# Altium PCB PASTE.PcbDoc (part 5 of 7)
Units mil, origin at the board's own origin, x right, y up, seen from the top; angles counter-clockwise.
Board outline 16220 x 11870 mil, 2 copper layers (Top Layer, Bottom Layer); 340 components, 0 nets, 1500 pads, 1280 vias.
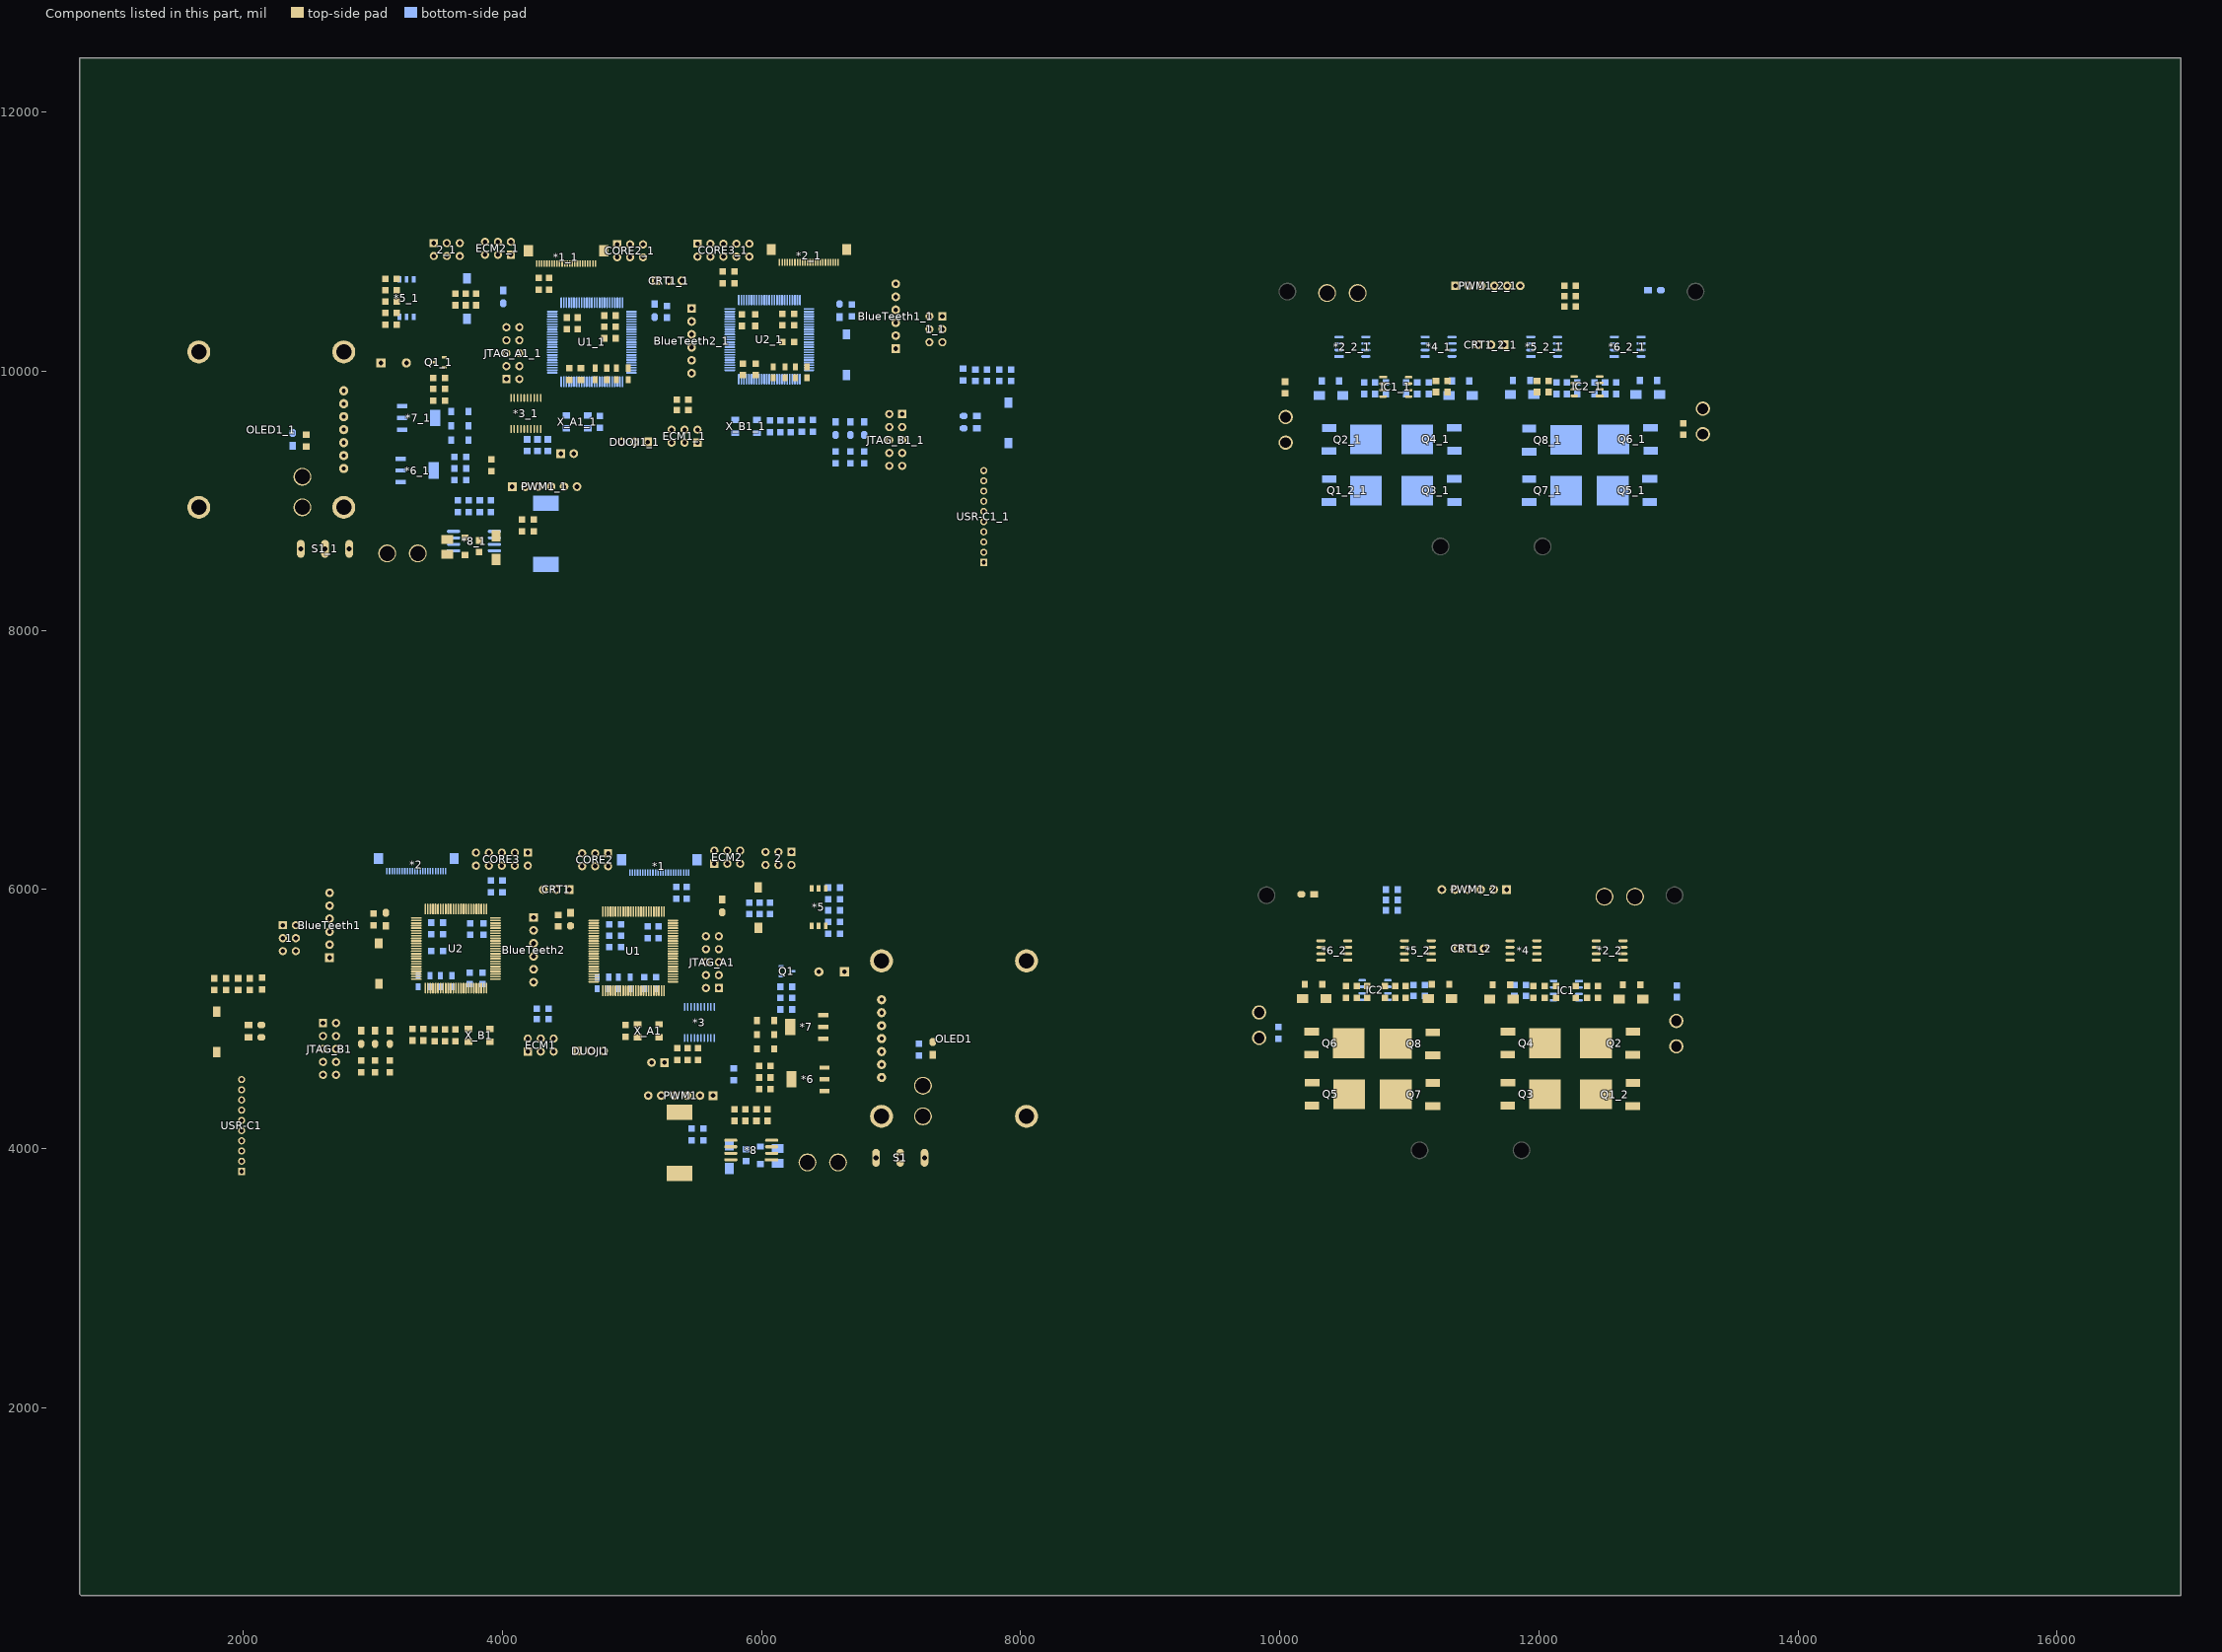
[diagram p5: the components of this part, seen from the top]

## Via types
v1: diameter 20, hole 15, Top Layer to Bottom Layer, tented both sides, 836 vias
v2: diameter 20, hole 10, Top Layer to Bottom Layer, tented both sides, 412 vias
v3: diameter 30, hole 20, Top Layer to Bottom Layer, tented both sides, 22 vias
v4: diameter 177.17, hole 157.48, Top Layer to Bottom Layer, tented both sides, 6 vias
v5: diameter 40, hole 30, Top Layer to Bottom Layer, tented both sides, 4 vias

## Nets (pads, with @x,y where several pads share a name; then routed paths per layer and width w, separated by ;. In a path a pad name is that pad's centre, name@x,y a point inside that pad or via, vN(x,y) a via of type N, cw(c..) or ccw(c..) an arc to the next point about the centre after c; other vN are vias at no path point) (continued)
copper on no net: (continued)
  Bottom Layer w10: 1986,3903.74 2104.76,4022.5 2104.76,4769.76 v2(2120,4785) 2430,4785 2615,4970 2615,5525 ; 1986,3916.24 ccw(c1986,3946.42) 2007.34,3925.08 ccw(c2028.68,3903.74) 1998.5,3903.74 ; 1986,3926.24 ccw(c1986,3980.56) 2024.41,3942.15 ccw(c2062.82,3903.74) 2008.5,3903.74 ; 1986,4218.7 2053.7,4218.7 v2(2065,4230) ; 1994.84,4209.86 cw(c2016.18,4188.52) 2016.18,4218.7 cw(c2016.18,4248.88) 1994.84,4227.54 ; 2001.91,4202.79 cw(c2040.32,4164.38) 2040.32,4218.7 cw(c2040.32,4273.02) 2001.91,4234.61 ; v2@2060,4230 cw(c2047.93,4230) 2056.46,4221.46 cw(c2065,4212.93) v2@2065,4225 ; v2@2115,4785 cw(c2102.93,4785) 2111.46,4776.46 cw(c2120,4767.93) v2@2120,4780 ; v2@2123.54,4781.46 cw(c2132.07,4772.93) 2132.07,4785 cw(c2132.07,4797.07) v2@2123.54,4788.54 ; 2380,9525 2425,9570 v2(2465,9570) ; 2380,9540 ccw(c2380,9576.21) 2405.61,9550.61 ; 2380,9550 ccw(c2380,9610.36) 2422.68,9567.68 ; 2386.26,5543.74 ccw(c2341.03,5588.97) 2405,5588.97 ccw(c2468.97,5588.97) 2423.74,5543.74 ccw(c2468.97,5588.97) 2468.97,5525 ccw(c2468.97,5461.03) 2423.74,5506.26 ; 2386.26,5606.26 cw(c2341.03,5561.03) 2405,5561.03 cw(c2468.97,5561.03) 2423.74,5606.26 ; 2386.26,5643.74 ccw(c2341.03,5688.97) 2405,5688.97 ccw(c2468.97,5688.97) 2423.74,5643.74 ; 2386.26,5706.26 cw(c2341.03,5661.03) 2405,5661.03 cw(c2468.97,5661.03) 2423.74,5706.26 ; 2393.34,5536.66 ccw(c2365.18,5564.82) 2405,5564.82 ccw(c2444.82,5564.82) 2416.66,5536.66 ccw(c2444.82,5564.82) 2444.82,5525 ccw(c2444.82,5485.18) 2416.66,5513.34 ; 2393.34,5613.34 cw(c2365.18,5585.18) 2405,5585.18 cw(c2444.82,5585.18) 2416.66,5613.34 ; 2393.34,5636.66 ccw(c2365.18,5664.82) 2405,5664.82 ccw(c2444.82,5664.82) 2416.66,5636.66 ; 2393.34,5713.34 cw(c2365.18,5685.18) 2405,5685.18 cw(c2444.82,5685.18) 2416.66,5713.34 ; 2400,9530 cw(c2436.21,9530) 2410.61,9555.61 ; 2405,5725 2405,5625 2405,5525 2615,5525 ; v2@2461.46,9566.46 ccw(c2452.93,9557.93) 2452.93,9570 ccw(c2452.93,9582.07) v2@2461.46,9573.54 ; 2588.5,4970 cw(c2524.54,4970) 2569.77,4924.77 cw(c2615,4879.54) 2615,4943.5 ; 2596.26,4988.74 ccw(c2551.03,5033.97) 2615,5033.97 ccw(c2678.97,5033.97) 2633.74,4988.74 ; 2598.5,4970 cw(c2558.68,4970) 2586.84,4941.84 cw(c2615,4913.68) 2615,4953.5 ; 2603.34,4981.66 ccw(c2575.18,5009.82) 2615,5009.82 ccw(c2654.82,5009.82) 2626.66,4981.66 ; 2636.54,5575 cw(c2567.82,5575) 2616.41,5526.41 cw(c2665,5477.82) 2665,5546.54 ; 2646.54,5575 cw(c2601.96,5575) 2633.48,5543.48 cw(c2665,5511.96) 2665,5556.54 ; 2663.69,9326.31 ccw(c2774.45,9437.07) 2774.45,9280.43 ; 2665,5575 2615,5525 ; 2665,5775 3080,5775 3175,5680 v2(3250,5680) ; 2665,5875 3025,5875 3200,5700 v2(3270,5700) ; 2678.06,5761.94 cw(c2709.58,5730.42) 2709.58,5775 cw(c2709.58,5819.58) 2678.06,5788.06 ; 2678.06,5861.94 cw(c2709.58,5830.42) 2709.58,5875 cw(c2709.58,5919.58) 2678.06,5888.06 ; 2680.76,9309.24 ccw(c2774.45,9402.93) 2774.45,9270.43 ; 2685.13,5754.87 cw(c2733.72,5706.28) 2733.72,5775 cw(c2733.72,5843.72) 2685.13,5795.13 ; 2685.13,5854.87 cw(c2733.72,5806.28) 2733.72,5875 cw(c2733.72,5943.72) 2685.13,5895.13 ; 2697.83,9292.17 ccw(c2774.45,9368.79) 2774.45,9260.43 ; 2703.18,4693.71 ccw(c2693.65,4712.82) 2715,4712.82 ; 2714.9,9275.1 ccw(c2774.45,9334.65) 2774.45,9250.43 ; 2715,4670 2715,4712.82 ; 2715,4770 2975,5030 3475,5030 3600,5155 v2(3600,5175) ; 2715,4786.5 ccw(c2715,4826.32) 2743.16,4798.16 ccw(c2771.32,4770) 2731.5,4770 ; 2715,4796.5 ccw(c2715,4860.46) 2760.23,4815.23 ccw(c2805.46,4770) 2741.5,4770 ; 2715,4870 2935,5090 3470,5090 v2(3560,5180) ; 2715,4886.5 ccw(c2715,4926.32) 2743.16,4898.16 ccw(c2771.32,4870) 2731.5,4870 ; 2715,4896.5 ccw(c2715,4960.46) 2760.23,4915.23 ccw(c2805.46,4870) 2741.5,4870 ; 2715,4970 2870,5125 v2(3445,5125) ; 2715,4986.5 ccw(c2715,5026.32) 2743.16,4998.16 ccw(c2771.32,4970) 2731.5,4970 ; 2715,4996.5 ccw(c2715,5060.46) 2760.23,5015.23 ccw(c2805.46,4970) 2741.5,4970 ; 2726.82,4693.71 cw(c2736.35,4712.82) 2715,4712.82 ; 2731.97,9258.03 ccw(c2774.45,9300.5) 2774.45,9240.43 ; 2744.02,9850 cw(c2670.54,9850) 2722.5,9798.05 cw(c2774.45,9746.1) 2774.45,9819.57 ; 2754.02,9850 cw(c2704.69,9850) 2739.57,9815.12 cw(c2774.45,9780.24) 2774.45,9829.57 ; 2774.45,9250 2740,9250 2625,9365 2625,9700.55 2774.45,9850 ; 2774.45,9350 3155,9730.55 3225,9730.55 ; v2@2930,5700 cw(c2930,5687.93) 2938.54,5696.46 cw(c2947.07,5705) v2@2935,5705 ; v2(2930,5705) 3015,5620 v2(3270,5620) 3275,5615 3500,5615 3540,5655 3540,5745 3610,5745 v2(3635,5770) ; v3(2985,4990) 3135,4840 3135,4520 3545,4520 3690,4665 4035,4665 4075,4705 4075,4820 ; v2@3050,5710 cw(c3050,5697.93) 3058.54,5706.46 cw(c3067.07,5715) v2@3055,5715 ; v2(3050,5715) 3125,5640 v2(3250,5640) 3435,5640 3450,5655 ; v3(3110,5445) 3150,5445 v3(3250,5545) ; v2(3145,4965) 3160,4980 v2(3370,4980) ; v2@3145,4970 ccw(c3145,4982.07) 3153.54,4973.54 ccw(c3162.07,4965) v2@3150,4965 ; v2@3146.46,6053.54 ccw(c3137.93,6062.07) 3150,6062.07 ccw(c3162.07,6062.07) v2@3153.54,6053.54 ; 3147.35,6121.37 cw(c3140.96,6114.97) 3150,6114.97 ; 3147.99,6141.69 3150,6139.68 v2(3150,6050) ; v2(3165,10410) 3195,10410 3205,10420 3205,10320 3340,10185 3600,10185 v2(3700,10085) ; v2@3166.46,6073.54 ccw(c3157.93,6082.07) 3170,6082.07 ccw(c3182.07,6082.07) v2@3173.54,6073.54 ; 3167.04,6121.37 cw(c3159.88,6114.21) 3170,6114.21 ; 3167.68,6141.69 3170,6139.37 v2(3170,6070) ; v2@3168.54,10406.46 cw(c3177.07,10397.93) 3177.07,10410 cw(c3177.07,10422.07) v2@3168.54,10413.54 ; 3178.67,10410 ccw(c3178.67,10437.47) 3198.1,10418.05 ; 3184.18,10410 cw(c3184.18,10390.33) 3198.1,10404.24 cw(c3181.43,10387.57) 3205,10387.57 cw(c3228.57,10387.57) 3211.9,10404.24 ; 3187.36,6141.69 3187.36,6097.64 3330,5955 3380.29,5955 3413.16,5922.13 3502.87,5922.13 v2(3515,5910) ; v2(3200,4620) v2(3755,5175) v2@3755,5180 ; v2@3200,4625 ccw(c3200,4637.07) 3208.54,4628.54 ccw(c3217.07,4620) v2@3205,4620 ; v2(3200,10495) 3270,10495 3315,10450 ; v2@3203.54,10491.46 cw(c3212.07,10482.93) 3212.07,10495 cw(c3212.07,10507.07) v2@3203.54,10498.54 ; 3205,10710 3230,10685 ; 3206.41,6121.37 cw(c3200.3,6115.26) 3208.94,6115.26 ; 3207.05,6141.69 3208.94,6139.8 3208.94,6098.13 3337.07,5970 3385,5970 3415,5940 3415.29,5940 3419.23,5936.06 3523.94,5936.06 3540,5920 v2(3540,5900) ; 3207.15,10691.62 cw(c3212.57,10667.57) 3230,10685 ; v2@3226.46,10523.54 ccw(c3217.93,10532.07) 3230,10532.07 ccw(c3242.07,10532.07) v2@3233.54,10523.54 ; 3226.73,6141.69 3226.73,6103.27 3342.87,5987.13 3387.87,5987.13 3425,5950 3645,5950 ; v2(3230,10520) 3230,10685 ; v2@3245,4630 ccw(c3245,4654.14) 3262.07,4637.07 ; v2(3245,4635) 3260,4635 v2(3775,5150) ; v2@3245,4640 ccw(c3245,4688.28) 3279.14,4654.14 ; 3246.42,6141.69 3246.42,6103.58 3348.94,6001.06 3394.81,6001.06 3425.87,5970 3660,5970 3675,5955 v2(3675,5910) ; v2@3246.46,5636.46 ccw(c3237.93,5627.93) 3237.93,5640 ccw(c3237.93,5652.07) v2@3246.46,5643.54 ; v2@3246.46,5676.46 ccw(c3237.93,5667.93) 3237.93,5680 ccw(c3237.93,5692.07) v2@3246.46,5683.54 ; v2@3248.54,4631.46 cw(c3257.07,4622.93) 3257.07,4635 cw(c3257.07,4647.07) v2@3248.54,4638.54 ; 3253.1,10404.24 cw(c3236.43,10387.57) 3260,10387.57 cw(c3283.57,10387.57) 3266.9,10404.24 ; 3253.1,10435.76 ccw(c3236.43,10452.43) 3260,10452.43 ccw(c3283.57,10452.43) 3266.9,10435.76 ; 3253.1,10694.24 cw(c3236.43,10677.57) 3260,10677.57 cw(c3283.57,10677.57) 3266.9,10694.24 ; 3253.1,10725.76 ccw(c3236.43,10742.43) 3260,10742.43 ccw(c3283.57,10742.43) 3266.9,10725.76 ; v2@3253.54,5636.46 cw(c3262.07,5627.93) 3262.07,5640 cw(c3262.07,5652.07) v2@3253.54,5643.54 ; v2@3255.75,10457.37 cw(c3241.16,10448.36) 3257.72,10443.92 ; v2@3256.46,10456.46 cw(c3247.93,10447.93) 3260,10447.93 cw(c3272.07,10447.93) v2@3263.54,10456.46 ; v2(3260,10460) 3260,10420 3260,10295 3350,10205 3610.58,10205 3715.58,10100 v2(3725,10100) ; 3260,10684.14 ccw(c3289.14,10684.14) v2@3268.54,10663.54 ; 3262.28,10443.92 cw(c3278.84,10448.36) v2@3264.25,10457.37 ; v2(3265,10660) 3260,10665 3260,10710 3260,10780 3470,10990 3570,10990 3670,10990 3817.82,10990 3867.39,10940.43 3981.75,10940.43 3995.68,10926.5 ; 3266.1,6141.69 3266.1,6108.9 3360,6015 3400.58,6015 3430.58,5985 3675,5985 3695,5965 v2(3695,5930) ; v2@3266.46,5616.46 ccw(c3257.93,5607.93) 3257.93,5620 ccw(c3257.93,5632.07) v2@3266.46,5623.54 ; v2@3266.46,5696.46 ccw(c3257.93,5687.93) 3257.93,5700 ccw(c3257.93,5712.07) v2@3266.46,5703.54 ; v2(3270,4615) 3800,5145 v2(3800,5175) ; v2@3270,4620 ccw(c3270,4632.07) 3278.54,4623.54 ccw(c3287.07,4615) v2@3275,4615 ; v2(3270,5350) v2@3275,5350 ; v2@3270,5355 ccw(c3270,5379.14) 3287.07,5362.07 ; v2@3273.54,5623.54 ccw(c3294.14,5644.14) 3294.14,5615 ; 3285.79,6141.69 3284.88,6140.79 3284.88,6115.12 3365.75,6034.25 3401.04,6034.25 3435.29,6000 3690,6000 3715,5975 v2(3715,5910) ; 3286.69,6122.01 ccw(c3307.7,6122.01) 3292.85,6107.16 ; v2@3301.46,10761.46 cw(c3292.93,10752.93) 3305,10752.93 cw(c3317.07,10752.93) v2@3308.54,10761.46 ; v2@3302.5,10760.67 cw(c3296.47,10750.22) 3308.12,10753.34 cw(c3319.79,10756.46) v2@3309.33,10762.5 ; v2(3305,5260) 3340,5260 3350,5250 ; 3305,10741.65 ccw(c3336.72,10741.65) 3314.84,10718.69 ; 3305.47,6141.69 3305.47,6114.82 3372.1,6048.19 3406.81,6048.19 3440,6015 3705,6015 3735,5985 v2(3735,5930) ; 3306.38,6122.01 ccw(c3325.92,6122.01) 3312.1,6108.19 ; v2@3307.5,5255.67 cw(c3314.75,5243.11) 3318.5,5257.12 ; v2@3307.75,5260 cw(c3307.75,5215.25) 3339.39,5246.89 ; 3308.1,10404.24 cw(c3291.43,10387.57) 3315,10387.57 cw(c3338.57,10387.57) 3321.9,10404.24 ; 3308.1,10694.24 cw(c3291.43,10677.57) 3315,10677.57 cw(c3338.57,10677.57) 3321.9,10694.24 ; v2@3308.54,5256.46 cw(c3317.07,5247.93) 3317.07,5260 cw(c3317.07,5272.07) v2@3308.54,5263.54 ; 3308.67,10436.29 ccw(c3296.99,10450) 3315,10450 ; v2@3309.33,5262.5 ccw(c3317.68,5267.32) 3315.18,5258.01 ; 3319.82,5260 ccw(c3319.82,5287.68) 3339.39,5268.11 ; 3321.33,10436.29 cw(c3333.01,10450) 3315,10450 ; 3321.74,10725.93 cw(c3358.97,10765) v2(3305,10765) 3305,10720 3315,10710 3315,10540 3655,10200 v2(3775,10200) ; 3325.16,6141.69 3325.16,6114.84 3375,6065 3375.58,6065 3378.45,6062.13 3412.87,6062.13 3445,6030 3720,6030 3755,5995 v2(3755,5910) ; 3326.06,6122.01 ccw(c3345.55,6122.01) 3331.77,6108.23 ; 3344.84,6141.69 3344.84,6115.45 3384.23,6076.06 3418.94,6076.06 3450,6045 3735,6045 3780,6000 v2(3780,5930) ; 3345.75,6122.01 ccw(c3363.77,6122.01) 3351.03,6109.26 ; v2(3350,4655) 3445,4655 v2(3560,4770) ; 3350,5335 3335,5350 v2@3275,5350 ; v2@3353.54,4651.46 cw(c3362.07,4642.93) 3362.07,4655 cw(c3362.07,4667.07) v2@3353.54,4658.54 ; 3364.53,6141.69 3364.53,6115.47 3390,6090 3425,6090 3455,6060 3745,6060 3800,6005 v2(3800,5910) ; 3365.43,6122.01 ccw(c3383.4,6122.01) 3370.69,6109.31 ; 3365.5,5640 ccw(c3365.5,5739.5) 3435.86,5669.14 ccw(c3401.72,5703.28) 3450,5703.28 ccw(c3498.28,5703.28) 3464.14,5669.14 ; v2@3366.46,4976.46 ccw(c3357.93,4967.93) 3357.93,4980 ccw(c3357.93,4992.07) v2@3366.46,4983.54 ; 3389.64,5640 ccw(c3389.64,5715.36) 3442.93,5662.07 ; v2(3390,5305) 3390,5300 3440,5250 3520,5250 ; v2@3391.46,5343.54 ccw(c3382.93,5352.07) 3395,5352.07 ccw(c3407.07,5352.07) v2@3398.54,5343.54 ; v2@3395,5305 ccw(c3419.14,5305) 3402.07,5287.93 ; v2(3395,5340) 3395,5380 3540,5525 ; 3401.59,5288.41 ccw(c3440,5326.82) 3440,5272.5 ; 3413.79,5640 ccw(c3413.79,5691.21) 3450,5655 ; 3418.66,5271.34 ccw(c3440,5292.68) 3440,5262.5 ; 3419.7,5270.3 cw(c3406.89,5257.5) 3425,5257.5 ; 3429.39,5353.11 ccw(c3403.79,5378.71) 3440,5378.71 ccw(c3476.21,5378.71) 3450.61,5353.11 ; v2@3435.67,5382.5 cw(c3420.41,5373.69) 3437.43,5369.12 ; 3435.86,5730.86 cw(c3401.72,5696.72) 3450,5696.72 cw(c3498.28,5696.72) 3464.14,5730.86 ; v2@3436.46,5381.46 cw(c3427.93,5372.93) 3440,5372.93 cw(c3452.07,5372.93) v2@3443.54,5381.46 ; v2(3440,5385) 3440,5335 3520,5335 ; v2@3441.46,5121.46 ccw(c3432.93,5112.93) 3432.93,5125 ccw(c3432.93,5137.07) v2@3441.46,5128.54 ; 3442.57,5369.12 cw(c3459.59,5373.69) v2@3444.33,5382.5 ; 3443.5,10990 cw(c3379.54,10990) 3424.77,10944.77 cw(c3470,10899.54) 3470,10963.5 ; v2(3445,4985) 3520,4985 v2(3545,5010) ; 3447.31,5735.37 ccw(c3454.94,5762.69) 3474.99,5742.63 ; v2@3448.54,4981.46 cw(c3457.07,4972.93) 3457.07,4985 cw(c3457.07,4997.07) v2@3448.54,4988.54 ; 3450,5525 v2@3275,5350 ; 3450.61,5239.39 cw(c3476.21,5213.79) 3476.21,5250 cw(c3476.21,5286.21) 3450.61,5260.61 ; 3450.61,5324.39 cw(c3476.21,5298.79) 3476.21,5335 cw(c3476.21,5371.21) 3450.61,5345.61 ; 3452.69,5754.63 ccw(c3465.5,5800.53) 3499.19,5766.83 ; 3453.5,10990 cw(c3413.68,10990) 3441.84,10961.84 cw(c3470,10933.68) 3470,10973.5 ; 3455.38,5764.26 ccw(c3470.78,5819.45) 3511.3,5778.94 ; 3462.95,6112.01 ccw(c3482.01,6112.01) v2@3468.54,6098.54 ; 3462.95,6141.69 3462.95,6097.05 v2(3465,6095) 3486.06,6073.94 3766.06,6073.94 3870,5970 3870,5940 3960,5940 4000,5980 ; v2@3465,6090 cw(c3465,6077.93) 3473.54,6086.46 cw(c3482.07,6095) v2@3470,6095 ; v2(3465,9050) 3520,9105 3540,9105 ; v2@3465,9055 ccw(c3465,9067.07) 3473.54,9058.54 ccw(c3482.07,9050) v2@3470,9050 ; 3469.06,5738.93 cw(c3477.36,5736.29) 3477.36,5745 ; 3469.06,5751.07 ccw(c3477.36,5753.71) 3477.36,5745 ; 3481.66,10978.34 cw(c3509.82,10950.18) 3509.82,10990 cw(c3509.82,11029.82) 3481.66,11001.66 ; 3487.09,5754.73 cw(c3460.22,5781.61) 3450,5745 ; 3488.74,10971.26 cw(c3533.97,10926.03) 3533.97,10990 cw(c3533.97,11053.97) 3488.74,11008.74 ; 3502.32,6113.53 ccw(c3523.53,6113.53) 3508.54,6098.54 ccw(c3517.07,6107.07) 3517.07,6095 ccw(c3517.07,6082.93) v2@3508.54,6091.46 ; 3502.32,6141.69 3502.32,6097.68 v2(3505,6095) 3770,6095 3885,5980 3910,5980 cw(c3910,6040.36) 3867.32,5997.68 ; 3509.39,5239.39 ccw(c3483.79,5213.79) 3483.79,5250 ccw(c3483.79,5286.21) 3509.39,5260.61 ; 3509.39,5324.39 ccw(c3483.79,5298.79) 3483.79,5335 ccw(c3483.79,5371.21) 3509.39,5345.61 ; v2@3510,5910 ccw(c3497.93,5910) 3506.46,5918.54 ccw(c3515,5927.07) v2@3515,5915 ; 3520,5525 cw(c3471.72,5525) 3505.86,5490.86 cw(c3540,5456.72) 3540,5505 ; 3520,5655 cw(c3471.72,5655) 3505.86,5620.86 cw(c3540,5586.72) 3540,5635 ; 3525.86,5669.14 ccw(c3491.72,5703.28) 3540,5703.28 ccw(c3588.28,5703.28) 3554.14,5669.14 ; v2@3536.46,5903.54 ccw(c3527.93,5912.07) 3540,5912.07 ccw(c3552.07,5912.07) v2@3543.54,5903.54 ; v2(3540,4690) 3545,4695 3895,4695 4055,4855 v2(4055,5330) ; v2@3540,5010 cw(c3527.93,5010) 3536.46,5001.46 cw(c3545,4992.93) v2@3545,5005 ; v2@3540,10375 cw(c3540,10362.93) 3548.54,10371.46 cw(c3557.07,10380) v2@3545,10380 ; v2(3540,10380) 3634.37,10285.63 3849.37,10285.63 v2(3855,10280) ; v2@3543.54,4686.46 cw(c3564.14,4665.86) 3564.14,4695 ; 3551.26,10971.26 ccw(c3506.03,10926.03) 3506.03,10990 ccw(c3506.03,11053.97) 3551.26,11008.74 ; 3554.14,5730.86 3635,5650 3750,5650 ; v2@3555,4770 cw(c3542.93,4770) 3551.46,4761.46 cw(c3560,4752.93) v2@3560,4765 ; v2@3555,5180 cw(c3542.93,5180) 3551.46,5171.46 cw(c3560,5162.93) v2@3560,5175 ; 3558.34,10978.34 ccw(c3530.18,10950.18) 3530.18,10990 ccw(c3530.18,11029.82) 3558.34,11001.66 ; v2@3565,5155 cw(c3552.93,5155) 3561.46,5146.46 cw(c3570,5137.93) v2@3570,5150 ; v2(3570,5155) 3475,5060 2962.18,5060 2731.75,4829.57 2717.39,4829.57 2674.57,4786.75 2674.57,4753.25 2715,4712.82 ; 3581.66,10978.34 cw(c3609.82,10950.18) 3609.82,10990 cw(c3609.82,11029.82) 3581.66,11001.66 ; 3588.74,10971.26 cw(c3633.97,10926.03) 3633.97,10990 cw(c3633.97,11053.97) 3588.74,11008.74 ; v2@3596.46,5171.46 cw(c3587.93,5162.93) 3600,5162.93 cw(c3612.07,5162.93) v2@3603.54,5171.46 ; v2@3600,10100 cw(c3600,10087.93) 3608.54,10096.46 cw(c3617.07,10105) v2@3605,10105 ; v2(3600,10105) 3670,10035 v2(3880,10035) ; 3610,5250 3665,5250 v2(3715,5300) ; 3610,5335 3645,5335 ; v2(3615,10665) 3667.31,10717.31 ; v2@3615,10670 ccw(c3615,10682.07) 3623.54,10673.54 ccw(c3632.07,10665) v2@3620,10665 ; 3620.61,5239.39 cw(c3646.21,5213.79) 3646.21,5250 cw(c3646.21,5286.21) 3620.61,5260.61 ; 3620.86,5324.66 cw(c3645,5301.67) 3645,5335 ; 3620.86,5345.34 ccw(c3645,5368.33) 3645,5335 ; v2@3630,5770 cw(c3617.93,5770) 3626.46,5761.46 cw(c3635,5752.93) v2@3635,5765 ; v2@3650.15,5931.23 ccw(c3631.09,5936.09) 3645,5950 ; 3651.26,10971.26 ccw(c3606.03,10926.03) 3606.03,10990 ccw(c3606.03,11053.97) 3651.26,11008.74 ; v2(3655,5930) 3655,5940 3645,5950 ; 3658.34,10978.34 ccw(c3630.18,10950.18) 3630.18,10990 ccw(c3630.18,11029.82) 3658.34,11001.66 ; v2@3666.46,10666.46 cw(c3657.93,10657.93) 3670,10657.93 cw(c3682.07,10657.93) v2@3673.54,10666.46 ; v2(3670,10670) 3670,10460 ; v2@3671.46,5913.54 ccw(c3662.93,5922.07) 3675,5922.07 ccw(c3687.07,5922.07) v2@3678.54,5913.54 ; v2@3675,5300 ccw(c3662.93,5300) 3671.46,5308.54 ccw(c3680,5317.07) 3680,5305 ccw(c3680,5317.07) 3688.54,5308.54 ccw(c3697.07,5300) v2@3685,5300 ; 3681.66,10978.34 cw(c3709.82,10950.18) 3709.82,10990 cw(c3709.82,11029.82) 3681.66,11001.66 ; 3685.91,10444.09 ccw(c3721.66,10479.85) 3724.25,10429.35 ; v2@3686.46,5768.54 ccw(c3677.93,5777.07) 3690,5777.07 ccw(c3702.07,5777.07) v2@3693.54,5768.54 ; 3688.74,10971.26 cw(c3733.97,10926.03) 3733.97,10990 cw(c3733.97,11053.97) 3688.74,11008.74 ; v2(3690,5765) 3690,5805 3776.06,5891.06 3807.84,5891.06 3818.94,5902.16 3818.94,5913.94 v2(3835,5930) ; 3690.09,10439.91 cw(c3665.02,10414.84) 3700.47,10414.84 ; v2@3691.46,5933.54 ccw(c3682.93,5942.07) 3695,5942.07 ccw(c3707.07,5942.07) v2@3698.54,5933.54 ; v2@3695,10085 ccw(c3682.93,10085) 3691.46,10093.54 ccw(c3700,10102.07) v2@3700,10090 ; 3700.38,10115.2 ccw(c3725,10139.81) v2@3725,10105 ; 3708.29,10700.13 ccw(c3667.32,10659.89) 3667.32,10717.31 ; 3708.29,10734.5 cw(c3667.32,10774.74) 3667.32,10717.31 ; v2@3710,5300 cw(c3697.93,5300) 3706.46,5291.46 cw(c3715,5282.93) v2@3715,5295 ; v2@3711.46,5913.54 ccw(c3702.93,5922.07) 3715,5922.07 ccw(c3727.07,5922.07) v2@3718.54,5913.54 ; 3715.42,10707.13 ccw(c3691.16,10683.3) 3691.16,10717.31 ccw(c3691.16,10751.33) 3715.42,10727.49 ; 3723.74,10439.34 cw(c3720.1,10510.1) 3670,10460 ; v2(3725,5790) 3726.49,5790 3851.49,5915 v2(3870,5915) ; v2@3725,5795 ccw(c3725,5810.67) 3736.08,5799.59 ; 3725,10370.63 cw(c3725,10287.65) 3783.67,10346.33 ; 3725,10380.63 cw(c3725,10321.8) 3766.6,10363.4 ; 3725.79,10717.31 3667.31,10717.31 ; v2@3731.46,5933.54 ccw(c3722.93,5942.07) 3735,5942.07 ccw(c3747.07,5942.07) v2@3738.54,5933.54 ; 3749.53,10395.16 ccw(c3784.98,10395.16) 3759.91,10370.09 ; v2@3750,5175 cw(c3737.93,5175) 3746.46,5166.46 cw(c3755,5157.93) v2@3755,5170 ; v2@3751.46,5913.54 ccw(c3742.93,5922.07) 3755,5922.07 ccw(c3767.07,5922.07) v2@3758.54,5913.54 ; v2(3755,5695) 3755,5735 3750,5740 ; v2@3766.46,10451.46 ccw(c3782.07,10467.07) 3782.07,10445 ; v2@3770,5150 cw(c3757.93,5150) 3766.46,5141.46 cw(c3775,5132.93) v2@3775,5145 ; v2@3770,10450 cw(c3770,10437.93) 3778.54,10446.46 cw(c3787.07,10455) v2@3775,10455 ; v2(3770,10455) 3780,10445 3825,10445 4005,10625 ; v2@3771.46,10196.46 ccw(c3762.93,10187.93) 3762.93,10200 ccw(c3762.93,10212.07) v2@3771.46,10203.54 ; v2@3773.54,10458.54 ccw(c3806.21,10491.21) 3806.21,10445 ; v2@3776.46,5933.54 ccw(c3767.93,5942.07) 3780,5942.07 ccw(c3792.07,5942.07) v2@3783.54,5933.54 ; v2@3791.46,10176.46 ccw(c3782.93,10167.93) 3782.93,10180 ccw(c3782.93,10192.07) v2@3791.46,10183.54 ; v2(3795,10180) 3655.29,10180 3616.35,10218.94 3451.06,10218.94 3315,10355 3315,10420 3315,10450 ; v2@3796.46,5171.46 cw(c3787.93,5162.93) 3800,5162.93 cw(c3812.07,5162.93) v2@3803.54,5171.46 ; v2@3796.46,5913.54 ccw(c3787.93,5922.07) 3800,5922.07 ccw(c3812.07,5922.07) v2@3803.54,5913.54 ; v2(3805,5310) 3845,5350 3845,5360 ; v2(3815,5695) 3852,5732 3852,5740 3885.94,5706.06 3885.94,5510.94 v2(3885,5510) 3878.94,5503.94 3878.94,5482.16 3840.72,5443.94 3837.16,5443.94 3826.06,5432.84 3826.06,5378.94 3845,5360 ; 3829.34,10285.63 cw(c3829.34,10254.34) v2@3851.46,10276.46 ; v2@3830,5930 cw(c3817.93,5930) 3826.46,5921.46 cw(c3835,5912.93) v2@3835,5925 ; 3830.86,5255.86 cw(c3772.57,5197.57) 3855,5197.57 ; 3833.18,6031.82 ccw(c3910,6108.64) 3910,6000 ; v2(3835,9950) 3880,9995 v2(3880,10035) ; v2@3835,9955 ccw(c3835,9967.07) 3843.54,9958.54 ccw(c3852.07,9950) v2@3840,9950 ; 3837.86,5664.14 cw(c3803.72,5698.28) 3803.72,5650 cw(c3803.72,5601.72) 3837.86,5635.86 cw(c3803.72,5601.72) 3852,5601.72 cw(c3900.28,5601.72) 3866.14,5635.86 ; 3837.93,5262.93 cw(c3796.72,5221.72) 3855,5221.72 ; v2(3845,5425) 3850,5420 3886.49,5420 3901.49,5405 3930,5405 3935.32,5410.31 3935.32,5664.15 